# KiCad board KB-PCB-R02_KiCad.kicad_pcb
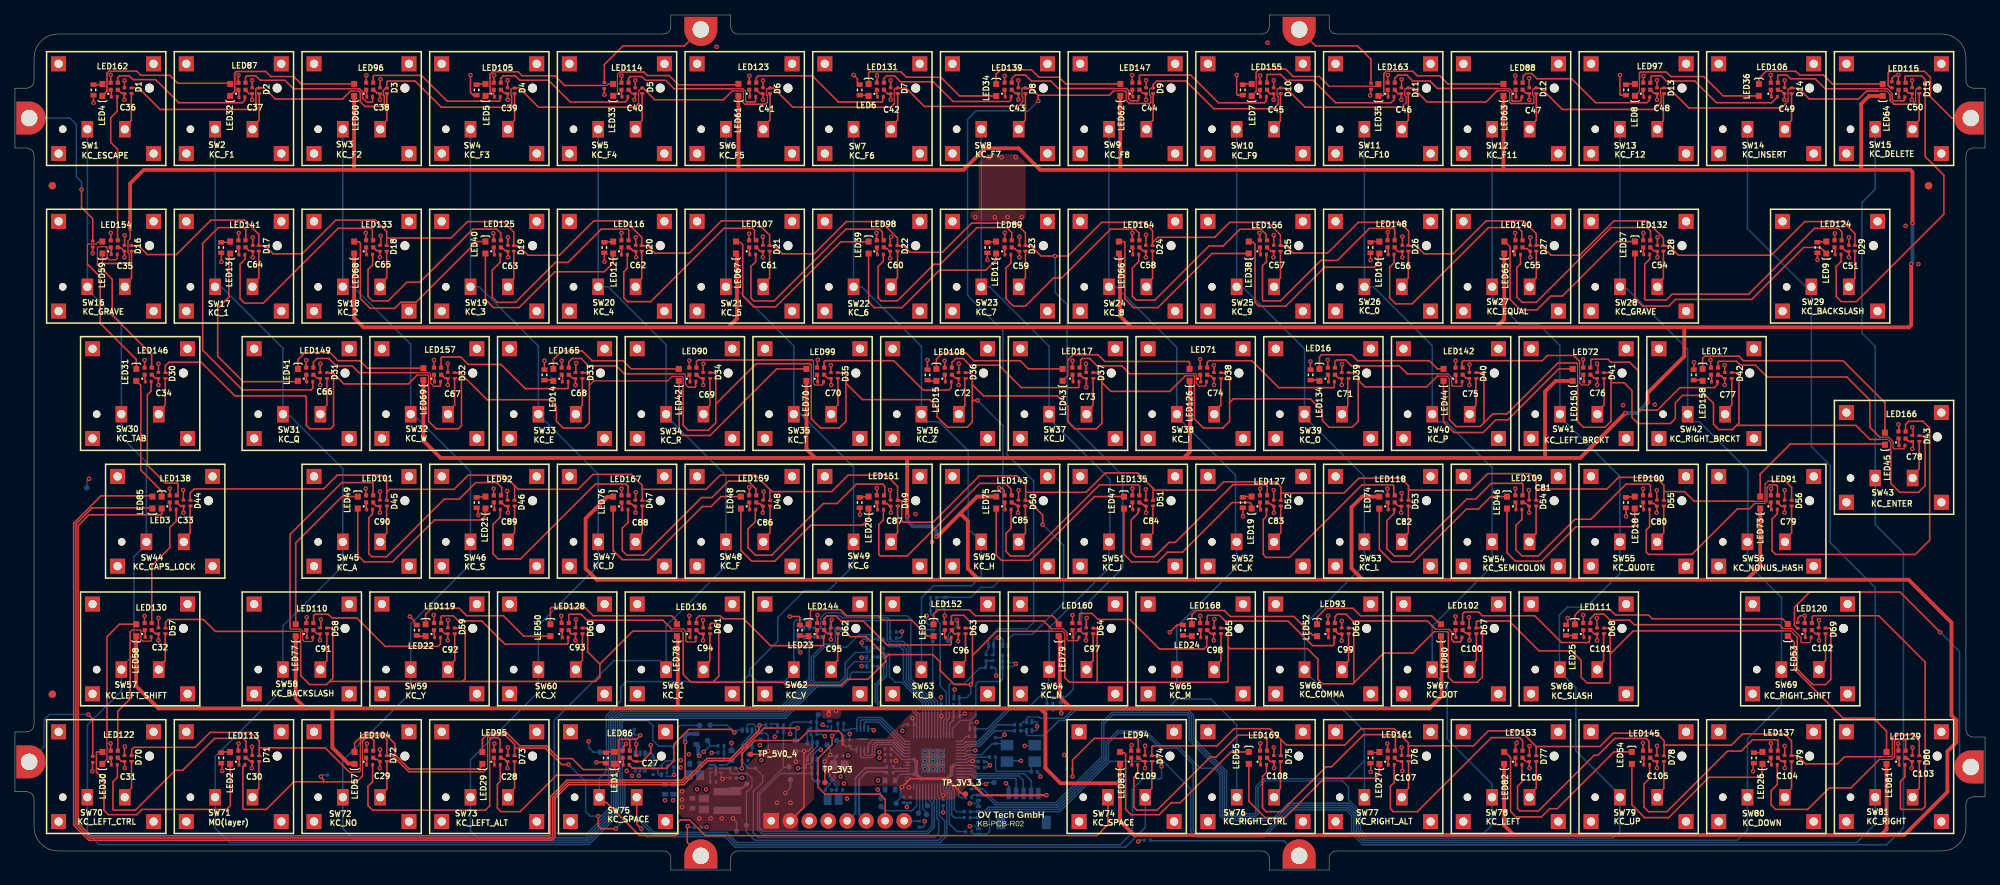
[diagram p0: board, top side]
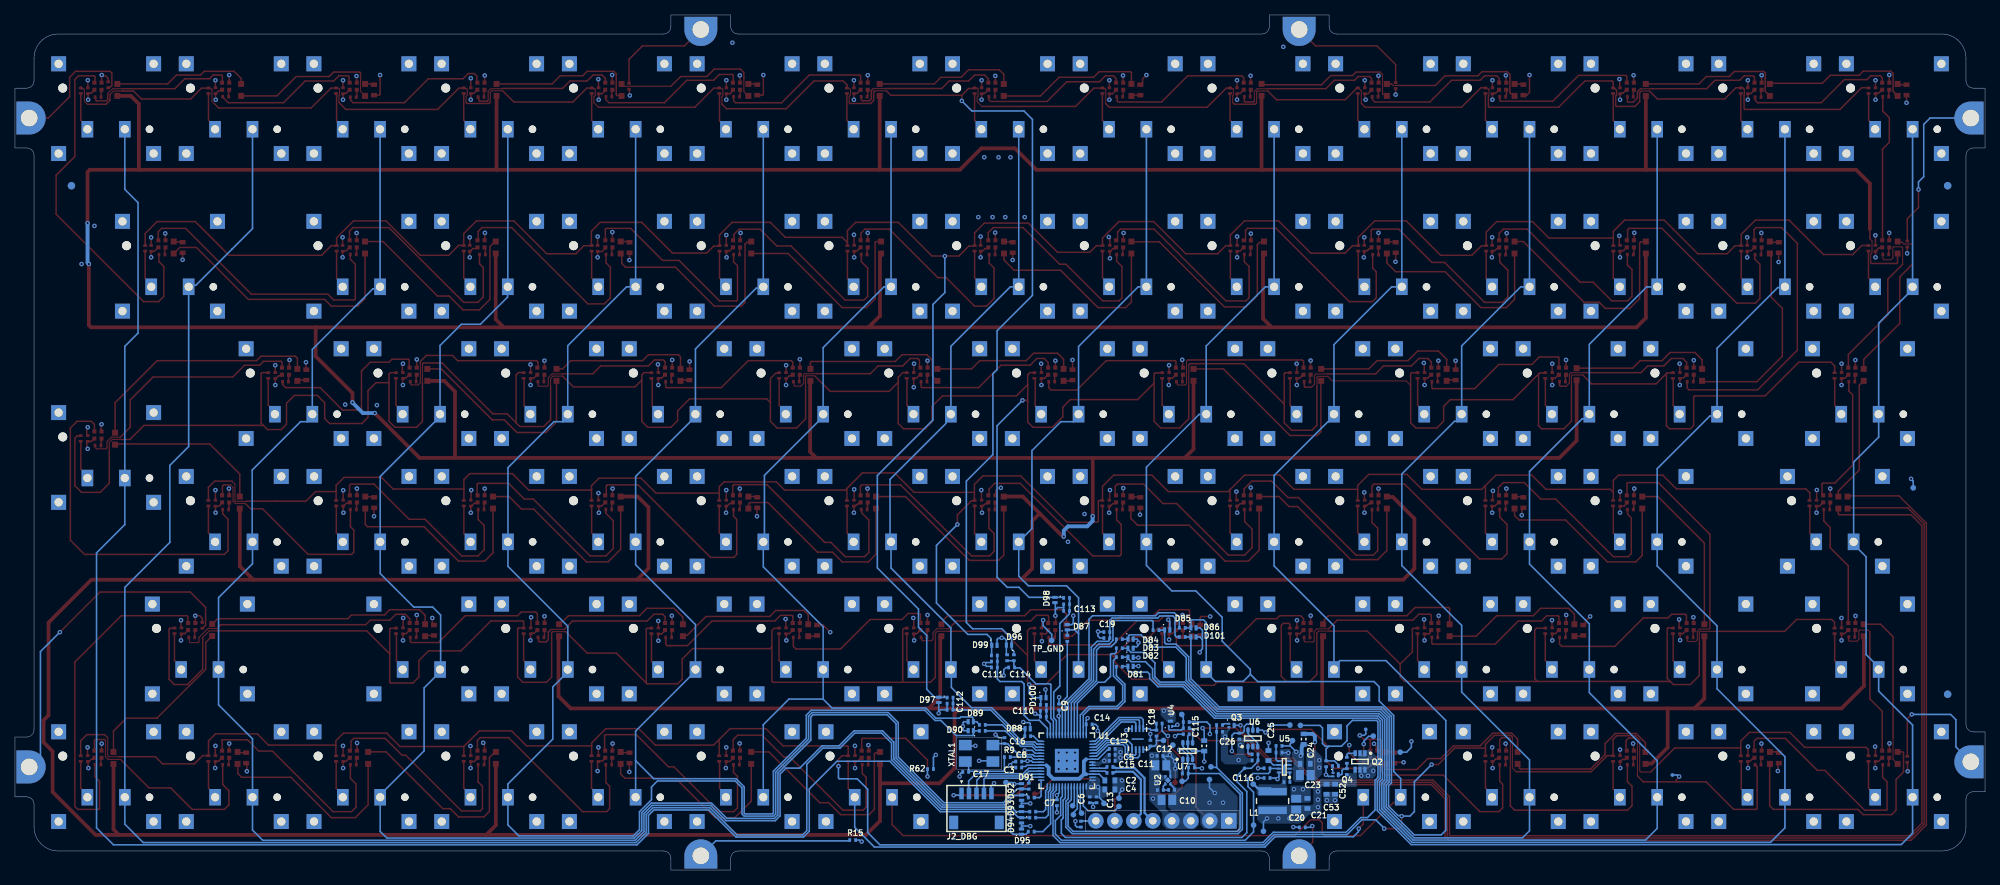
[diagram p1: board, bottom side, seen from below]

Outline 263.4 x 114.34 mm; copper layers: SIG_TOP, GND, PWR, SIG_BOTTOM. Coordinates in mm from the lower left corner of the outline.
Outline path: 0,104.55 0,96.55 1.55,96.55 arc(2.26,96.26) 2.55,95.55 2.55,19.47 arc(2.26,18.76) 1.55,18.47 0,18.47 0,10.47 1.55,10.47 arc(2.26,10.18) 2.55,9.47 2.55,5.78 arc(3.5,3.5) 5.79,2.55 86.7,2.55 arc(87.41,2.26) 87.7,1.55 87.7,0 95.7,0 95.7,1.55 arc(96,2.26) 96.7,2.55 166.7,2.55 arc(167.41,2.26) 167.7,1.55 167.7,0 175.7,0 175.7,1.55 arc(176,2.26) 176.7,2.55 257.62,2.55 arc(259.91,3.5) 260.85,5.78 260.85,8.78 arc(261.15,9.49) 261.85,9.78 263.4,9.78 263.4,17.78 261.85,17.78 arc(261.15,18.08) 260.85,18.78 260.85,95.55 arc(261.15,96.26) 261.85,96.55 263.4,96.55 263.4,104.55 261.85,104.55 arc(261.15,104.85) 260.85,105.55 260.85,108.55 arc(259.91,110.84) 257.62,111.79 176.7,111.79 arc(176,112.08) 175.7,112.79 175.7,114.34 167.7,114.34 167.7,112.79 arc(167.41,112.08) 166.7,111.79 96.7,111.79 arc(96,112.08) 95.7,112.79 95.7,114.34 87.7,114.34 87.7,112.79 arc(87.41,112.08) 86.7,111.79 5.79,111.79 arc(3.5,110.84) 2.55,108.55 2.55,105.55 arc(2.26,104.85) 1.55,104.55 0,104.55

## Placement (name value [footprint] x y rotation side)
C1  100nF 25V  [CAPC1005X06L]  116.7 16.21 180 bottom
C2  1µF 16V  [CAPC1608X10L]  117.01 11.98 180 bottom
C3  100nF 25V  [CAPC1005X06L]  129.2 13.71 0 bottom
C4  1µF 16V  [CAPC1608X10L]  117.02 10.77 180 bottom
C5  100nF 25V  [CAPC1005X06L]  116.7 15.41 180 bottom
C6  100nF 25V  [CAPC1005X06L]  119.69 9.39 270 bottom
C7  100nF 25V  [CAPC1005X06L]  124.1 9.01 270 bottom
C8  100nF 25V  [CAPC1005X06L]  129.2 14.51 0 bottom
C9  100nF 25V  [CAPC1005X06L]  123.82 21.8 90 bottom
C10  10µF 16V  [CAPC2012X14L]  109.38 9.37 0 bottom
C11  10µF 16V  [CAPC2012X14L]  110.2 14.01 0 bottom
C12  100nF 25V  [CAPC1005X06L]  110.31 15.27 0 bottom
C13  100nF 25V  [CAPC1005X06L]  118.79 9.39 270 bottom
C14  100nF 25V  [CAPC1005X06L]  119.78 19.48 180 bottom
C15  100nF 25V  [CAPC1005X06L]  116.7 14.61 180 bottom
C16  27pF 25V  [CAPC1005X06L]  131.1 17.31 90 bottom
C17  27pF 25V  [CAPC1005X06L]  136.29 13.12 0 bottom
C18  100nF 25V  [CAPC1005X06L]  111.6 16.96 90 bottom
C19  330pF 50V  [CAPC1005X06L]  117.42 31.83 0 bottom
C20  22µF 25V  [CAPC2012X14L]  92.1 8.81 90 bottom
C21  10µF 25V  [CAPC1608X10L]  90.6 8.91 90 bottom
C22  100nF 25V  [CAPC1005X06L]  93.34 11.77 180 bottom
C23  22µF 25V  [CAPC2012X14L]  90.87 12.71 180 bottom
C24  10µF 25V  [CAPC1608X10L]  90.9 14.21 180 bottom
C25  1µF 16V  [CAPC1608X10L]  95.81 15.31 90 bottom
C26  100nF 25V  [CAPC1005X06L]  99.7 17.91 270 bottom
C27  100nF 25V  [CAPC1005X06L]  83.09 14.91 90 top
C28  100nF 25V  [CAPC1005X06L]  65.87 14.91 90 top
C29  100nF 25V  [CAPC1005X06L]  48.79 14.91 90 top
C30  100nF 25V  [CAPC1005X06L]  31.72 14.91 90 top
C31  100nF 25V  [CAPC1005X06L]  14.65 14.91 90 top
C32  100nF 25V  [CAPC1005X06L]  19.18 31.98 90 top
C33  100nF 25V  [CAPC1005X06L]  22.53 49.05 90 top
C34  100nF 25V  [CAPC1005X06L]  19.18 66.13 90 top
C35  100nF 25V  [CAPC1005X06L]  14.65 83.13 90 top
C36  100nF 25V  [CAPC1005X06L]  14.65 104.21 90 top
C37  100nF 25V  [CAPC1005X06L]  31.72 104.21 90 top
C38  100nF 25V  [CAPC1005X06L]  48.8 104.21 90 top
C39  100nF 25V  [CAPC1005X06L]  65.86 104.21 90 top
C40  100nF 25V  [CAPC1005X06L]  82.93 104.21 90 top
C41  100nF 25V  [CAPC1005X06L]  100.01 104.21 90 top
C42  100nF 25V  [CAPC1005X06L]  117.08 104.21 90 top
C43  100nF 25V  [CAPC1005X06L]  134.16 104.21 90 top
C44  100nF 25V  [CAPC1005X06L]  151.23 104.21 90 top
C45  100nF 25V  [CAPC1005X06L]  168.29 104.21 90 top
C46  100nF 25V  [CAPC1005X06L]  185.36 104.21 90 top
C47  100nF 25V  [CAPC1005X06L]  202.46 104.21 90 top
C48  100nF 25V  [CAPC1005X06L]  219.54 104.21 90 top
C49  100nF 25V  [CAPC1005X06L]  236.6 104.21 90 top
C50  100nF 25V  [CAPC1005X06L]  253.66 104.21 90 top
C51  100nF 25V  [CAPC1005X06L]  245.2 83.13 90 top
C52  10µF 25V  [CAPC1608X10L]  86.9 10.81 270 bottom
C53  10µF 25V  [CAPC1608X10L]  88.04 10.81 270 bottom
C54  100nF 25V  [CAPC1005X06L]  219.6 83.13 90 top
C55  100nF 25V  [CAPC1005X06L]  202.6 83.13 90 top
C56  100nF 25V  [CAPC1005X06L]  185.5 83.13 90 top
C57  100nF 25V  [CAPC1005X06L]  168.3 83.13 90 top
C58  100nF 25V  [CAPC1005X06L]  151.2 83.13 90 top
C59  100nF 25V  [CAPC1005X06L]  134.3 83.13 90 top
C60  100nF 25V  [CAPC1005X06L]  117.03 83.13 90 top
C61  100nF 25V  [CAPC1005X06L]  100 83.13 90 top
C62  100nF 25V  [CAPC1005X06L]  83 83.13 90 top
C63  100nF 25V  [CAPC1005X06L]  65.9 83.13 90 top
C64  100nF 25V  [CAPC1005X06L]  31.8 83.13 90 top
C65  100nF 25V  [CAPC1005X06L]  48.8 83.13 90 top
C66  100nF 25V  [CAPC1005X06L]  40.79 66.13 90 top
C67  100nF 25V  [CAPC1005X06L]  57.87 66.13 90 top
C68  100nF 25V  [CAPC1005X06L]  74.94 66.13 90 top
C69  100nF 25V  [CAPC1005X06L]  92.01 66.13 90 top
C70  100nF 25V  [CAPC1005X06L]  109.09 66.13 90 top
C71  100nF 25V  [CAPC1005X06L]  177.38 66.13 90 top
C72  100nF 25V  [CAPC1005X06L]  126.16 66.13 90 top
C73  100nF 25V  [CAPC1005X06L]  143.23 66.13 90 top
C74  100nF 25V  [CAPC1005X06L]  160.31 66.13 90 top
C75  100nF 25V  [CAPC1005X06L]  194.46 66.13 90 top
C76  100nF 25V  [CAPC1005X06L]  211.53 66.13 90 top
C77  100nF 25V  [CAPC1005X06L]  228.6 66.13 90 top
C78  100nF 25V  [CAPC1005X06L]  253.68 57.71 90 top
C79  100nF 25V  [CAPC1005X06L]  236.6 49.05 90 top
C80  100nF 25V  [CAPC1005X06L]  219.53 49.05 90 top
C81  100nF 25V  [CAPC1005X06L]  202.45 49.05 90 top
C82  100nF 25V  [CAPC1005X06L]  185.38 49.05 90 top
C83  100nF 25V  [CAPC1005X06L]  168.31 49.05 90 top
C84  100nF 25V  [CAPC1005X06L]  151.23 49.05 90 top
C85  100nF 25V  [CAPC1005X06L]  134.16 49.05 90 top
C86  100nF 25V  [CAPC1005X06L]  100.01 49.05 90 top
C87  100nF 25V  [CAPC1005X06L]  117.09 49.05 90 top
C88  100nF 25V  [CAPC1005X06L]  82.94 49.05 90 top
C89  100nF 25V  [CAPC1005X06L]  65.87 49.05 90 top
C90  100nF 25V  [CAPC1005X06L]  48.79 49.05 90 top
C91  100nF 25V  [CAPC1005X06L]  40.79 31.98 90 top
C92  100nF 25V  [CAPC1005X06L]  57.87 31.98 90 top
C93  100nF 25V  [CAPC1005X06L]  74.94 31.98 90 top
C94  100nF 25V  [CAPC1005X06L]  92.01 31.98 90 top
C95  100nF 25V  [CAPC1005X06L]  109.09 31.98 90 top
C96  100nF 25V  [CAPC1005X06L]  126.16 31.98 90 top
C97  100nF 25V  [CAPC1005X06L]  143.23 31.98 90 top
C98  100nF 25V  [CAPC1005X06L]  160.31 31.98 90 top
C99  100nF 25V  [CAPC1005X06L]  177.38 31.98 90 top
C100  100nF 25V  [CAPC1005X06L]  194.45 31.98 90 top
C101  100nF 25V  [CAPC1005X06L]  211.53 31.98 90 top
C102  100nF 25V  [CAPC1005X06L]  241.14 31.98 90 top
C103  100nF 25V  [CAPC1005X06L]  253.68 14.91 90 top
C104  100nF 25V  [CAPC1005X06L]  236.6 14.91 90 top
C105  100nF 25V  [CAPC1005X06L]  219.53 14.91 90 top
C106  100nF 25V  [CAPC1005X06L]  202.46 14.91 90 top
C107  100nF 25V  [CAPC1005X06L]  185.38 14.91 90 top
C108  100nF 25V  [CAPC1005X06L]  168.31 14.91 90 top
C109  100nF 25V  [CAPC1005X06L]  151.09 14.91 90 top
C110  330pF 50V  [CAPC1005X06L]  125.9 21.31 0 bottom
C111  330pF 50V  [CAPC1005X06L]  132.45 27.09 0 bottom
C112  330pF 50V  [CAPC1005X06L]  138.38 22.26 0 bottom
C113  330pF 50V  [CAPC1005X06L]  122.8 34.66 0 bottom
C114  330pF 50V  [CAPC1005X06L]  130.15 27.09 0 bottom
C115  100nF 25V  [CAPC1005X06L]  106.8 18.16 0 bottom
C116  100nF 25V  [CAPC1005X06L]  96 12.31 0 bottom
D1  BAT54LS-QYL  [DFN1006-2A]  15.58 104.21 270 top
D2  BAT54LS-QYL  [DFN1006-2A]  32.65 104.21 270 top
D3  BAT54LS-QYL  [DFN1006-2A]  49.73 104.21 270 top
D4  BAT54LS-QYL  [DFN1006-2A]  66.8 104.21 270 top
D5  BAT54LS-QYL  [DFN1006-2A]  83.87 104.21 270 top
D6  BAT54LS-QYL  [DFN1006-2A]  100.95 104.21 270 top
D7  BAT54LS-QYL  [DFN1006-2A]  118.02 104.21 270 top
D8  BAT54LS-QYL  [DFN1006-2A]  135.1 104.21 270 top
D9  BAT54LS-QYL  [DFN1006-2A]  152.17 104.21 270 top
D10  BAT54LS-QYL  [DFN1006-2A]  169.23 104.21 270 top
D11  BAT54LS-QYL  [DFN1006-2A]  186.3 104.21 270 top
D12  BAT54LS-QYL  [DFN1006-2A]  203.4 104.21 270 top
D13  BAT54LS-QYL  [DFN1006-2A]  220.48 104.21 270 top
D14  BAT54LS-QYL  [DFN1006-2A]  237.54 104.2 270 top
D15  BAT54LS-QYL  [DFN1006-2A]  254.6 104.21 270 top
D16  BAT54LS-QYL  [DFN1006-2A]  15.58 83.13 270 top
D17  BAT54LS-QYL  [DFN1006-2A]  32.6 83.13 270 top
D18  BAT54LS-QYL  [DFN1006-2A]  49.7 83.13 270 top
D19  BAT54LS-QYL  [DFN1006-2A]  66.7 83.13 270 top
D20  BAT54LS-QYL  [DFN1006-2A]  83.8 83.13 270 top
D21  BAT54LS-QYL  [DFN1006-2A]  100.9 83.13 270 top
D22  BAT54LS-QYL  [DFN1006-2A]  118 83.13 270 top
D23  BAT54LS-QYL  [DFN1006-2A]  135.1 83.13 270 top
D24  BAT54LS-QYL  [DFN1006-2A]  152.1 83.13 270 top
D25  BAT54LS-QYL  [DFN1006-2A]  169.2 83.13 270 top
D26  BAT54LS-QYL  [DFN1006-2A]  186.3 83.13 270 top
D27  BAT54LS-QYL  [DFN1006-2A]  203.4 83.13 270 top
D28  BAT54LS-QYL  [DFN1006-2A]  220.4 83.13 270 top
D29  BAT54LS-QYL  [DFN1006-2A]  246 83.13 270 top
D30  BAT54LS-QYL  [DFN1006-2A]  20.12 66.13 270 top
D31  BAT54LS-QYL  [DFN1006-2A]  41.73 66.13 270 top
D32  BAT54LS-QYL  [DFN1006-2A]  58.8 66.13 270 top
D33  BAT54LS-QYL  [DFN1006-2A]  75.88 66.13 270 top
D34  BAT54LS-QYL  [DFN1006-2A]  92.95 66.13 270 top
D35  BAT54LS-QYL  [DFN1006-2A]  110.02 66.13 270 top
D36  BAT54LS-QYL  [DFN1006-2A]  127.1 66.13 270 top
D37  BAT54LS-QYL  [DFN1006-2A]  144.17 66.13 270 top
D38  BAT54LS-QYL  [DFN1006-2A]  161.24 66.13 270 top
D39  BAT54LS-QYL  [DFN1006-2A]  178.32 66.13 270 top
D40  BAT54LS-QYL  [DFN1006-2A]  195.4 66.13 270 top
D41  BAT54LS-QYL  [DFN1006-2A]  212.47 66.13 270 top
D42  BAT54LS-QYL  [DFN1006-2A]  229.54 66.13 270 top
D43  BAT54LS-QYL  [DFN1006-2A]  254.62 57.71 270 top
D44  BAT54LS-QYL  [DFN1006-2A]  23.47 49.05 270 top
D45  BAT54LS-QYL  [DFN1006-2A]  49.73 49.05 270 top
D46  BAT54LS-QYL  [DFN1006-2A]  66.8 49.05 270 top
D47  BAT54LS-QYL  [DFN1006-2A]  83.88 49.05 270 top
D48  BAT54LS-QYL  [DFN1006-2A]  100.95 49.05 270 top
D49  BAT54LS-QYL  [DFN1006-2A]  118.02 49.05 270 top
D50  BAT54LS-QYL  [DFN1006-2A]  135.1 49.05 270 top
D51  BAT54LS-QYL  [DFN1006-2A]  152.17 49.05 270 top
D52  BAT54LS-QYL  [DFN1006-2A]  169.24 49.05 270 top
D53  BAT54LS-QYL  [DFN1006-2A]  186.32 49.05 270 top
D54  BAT54LS-QYL  [DFN1006-2A]  203.39 49.05 270 top
D55  BAT54LS-QYL  [DFN1006-2A]  220.46 49.05 270 top
D56  BAT54LS-QYL  [DFN1006-2A]  237.54 49.05 270 top
D57  BAT54LS-QYL  [DFN1006-2A]  20.12 31.98 270 top
D58  BAT54LS-QYL  [DFN1006-2A]  41.73 31.98 270 top
D59  BAT54LS-QYL  [DFN1006-2A]  58.8 31.98 270 top
D60  BAT54LS-QYL  [DFN1006-2A]  75.88 31.98 270 top
D61  BAT54LS-QYL  [DFN1006-2A]  92.95 31.98 270 top
D62  BAT54LS-QYL  [DFN1006-2A]  110.02 31.98 270 top
D63  BAT54LS-QYL  [DFN1006-2A]  127.1 31.98 270 top
D64  BAT54LS-QYL  [DFN1006-2A]  144.17 31.98 270 top
D65  BAT54LS-QYL  [DFN1006-2A]  161.24 31.98 270 top
D66  BAT54LS-QYL  [DFN1006-2A]  178.32 31.98 270 top
D67  BAT54LS-QYL  [DFN1006-2A]  195.39 31.98 270 top
D68  BAT54LS-QYL  [DFN1006-2A]  212.46 31.98 270 top
D69  BAT54LS-QYL  [DFN1006-2A]  242.08 31.98 270 top
D70  BAT54LS-QYL  [DFN1006-2A]  15.58 14.91 270 top
D71  BAT54LS-QYL  [DFN1006-2A]  32.66 14.91 270 top
D72  BAT54LS-QYL  [DFN1006-2A]  49.73 14.91 270 top
D73  BAT54LS-QYL  [DFN1006-2A]  66.8 14.91 270 top
D74  BAT54LS-QYL  [DFN1006-2A]  152.03 14.91 270 top
D75  BAT54LS-QYL  [DFN1006-2A]  169.25 14.91 270 top
D76  BAT54LS-QYL  [DFN1006-2A]  186.32 14.91 270 top
D77  BAT54LS-QYL  [DFN1006-2A]  203.4 14.91 270 top
D78  BAT54LS-QYL  [DFN1006-2A]  220.47 14.91 270 top
D79  BAT54LS-QYL  [DFN1006-2A]  237.54 14.91 270 top
D80  BAT54LS-QYL  [DFN1006-2A]  254.62 14.91 270 top
D81  PESD5V5C1UL  [DFN65P100X50-2N]  114.25 27.24 180 bottom
D82  PESD5V5C1UL  [DFN65P100X50-2N]  114.25 28.44 180 bottom
D83  PESD5V5C1UL  [DFN65P100X50-2N]  114.25 29.65 180 bottom
D84  PESD5V5C1UL  [DFN65P100X50-2N]  114.25 30.88 180 bottom
D85  PESD5V5C1UL  [DFN65P100X50-2N#2]  109.34 32.1 180 bottom
D86  PESD5V5C1UL  [DFN65P100X50-2N]  105.83 32.38 180 bottom
D87  PESD5V5C1UL  [DFN65P100X50-2N#2]  122.7 32.47 90 bottom
D88  PESD5V5C1UL  [DFN65P100X50-2N]  128 18.89 180 bottom
D89  PESD5V5C1UL  [DFN65P100X50-2N]  135.61 19.84 0 bottom
D90  PESD5V5C1UL  [DFN65P100X50-2N]  135.61 18.64 0 bottom
D91  PESD5V5C1UL  [DFN65P100X50-2N]  128.83 11.21 90 bottom
D92  PESD5V5C1UL  [DFN65P100X50-2N]  128.82 9.68 270 bottom
D93  PESD5V5C1UL  [DFN65P100X50-2N]  128.83 8.17 90 bottom
D94  PESD5V5C1UL  [DFN65P100X50-2N]  128.83 6.65 270 bottom
D95  PESD5V5C1UL  [DFN65P100X50-2N]  128.83 5.14 90 bottom
D96  PESD5V5C1UL  [DFN65P100X50-2N]  130.5 30.08 0 bottom
D97  PESD5V5C1UL  [DFN65P100X50-2N]  139.88 22.76 270 bottom
D98  PESD5V5C1UL  [DFN65P100X50-2N]  124.35 36.11 270 bottom
D99  PESD5V5C1UL  [DFN65P100X50-2N#2]  132.45 30.05 180 bottom
D100  PESD5V5C1UL  [DFN65P100X50-2N#2]  125.89 23.05 180 bottom
D101  PESD5V5C1UL  [DFN65P100X50-2N]  105.83 31.17 180 bottom
FD1  FD_1mm  [FD_1mm_Copper_3mm_Expansion]  5 23.51 0 top
FD2  FD_1mm  [FD_1mm_Copper_3mm_Expansion]  5 91.51 0 top
FD3  FD_1mm  [FD_1mm_Copper_3mm_Expansion]  255.85 91.51 0 top
FD4  FD_1mm  [FD_1mm_Copper_3mm_Expansion]  5 23.51 180 bottom
FD5  FD_1mm  [FD_1mm_Copper_3mm_Expansion]  5 91.51 180 bottom
FD6  FD_1mm  [FD_1mm_Copper_3mm_Expansion]  255.85 91.51 180 bottom
J2_DBG  SM05B-SRSS-TB  [WIRE-TO-BOARD SM05B-SRSS-TB]  134.85 8.3 0 bottom
J_IN1  8x2,54mm spring header receptable  [BOARD-BOARD CON SPRING-LOADED HEADER 8X2,54MM RECEPTABLE]  110 6.58 0 bottom
L1  3.3 uH 4.4A  [INDM4141X21N]  95.25 9.24 90 bottom
LED1  HL-PT-1608H322W-L  [LED 0603]  80.13 14.99 90 top
LED2  HL-PT-1608H322W-L  [LED 0603]  28.76 14.99 90 top
LED3  HL-PT-1608H322W-L  [LED 0603]  19.62 49.14 270 top
LED4  HL-PT-1608H322W-L  [LED 0603]  11.69 104.32 90 top
LED5  HL-PT-1608H322W-L  [LED 0603]  62.91 104.32 90 top
LED6  HL-PT-1608H322W-L  [LED 0603]  114.13 104.32 270 top
LED7  HL-PT-1608H322W-L  [LED 0603]  165.35 104.32 90 top
LED8  HL-PT-1608H322W-L  [LED 0603]  216.6 104.32 90 top
LED9  HL-PT-1608H322W-L  [LED 0603]  242.18 83.24 90 top
LED10  HL-PT-1608H322W-L  [LED 0603]  182.42 83.24 90 top
LED11  HL-PT-1608H322W-L  [LED 0603]  131.17 83.24 90 top
LED12  HL-PT-1608H322W-L  [LED 0603]  79.98 83.24 90 top
LED13  HL-PT-1608H322W-L  [LED 0603]  28.77 83.24 90 top
LED14  HL-PT-1608H322W-L  [LED 0603]  71.98 66.21 270 top
LED15  HL-PT-1608H322W-L  [LED 0603]  123.2 66.21 270 top
LED16  HL-PT-1608H322W-L  [LED 0603]  174.42 66.21 270 top
LED17  HL-PT-1608H322W-L  [LED 0603]  225.64 66.21 270 top
LED18  HL-PT-1608H322W-L  [LED 0603]  216.57 49.14 90 top
LED19  HL-PT-1608H322W-L  [LED 0603]  165.35 49.14 90 top
LED20  HL-PT-1608H322W-L  [LED 0603]  114.13 49.14 90 top
LED21  HL-PT-1608H322W-L  [LED 0603]  62.91 49.14 90 top
LED22  HL-PT-1608H322W-L  [LED 0603]  54.9 32.07 270 top
LED23  HL-PT-1608H322W-L  [LED 0603]  106.1 32.07 270 top
LED24  HL-PT-1608H322W-L  [LED 0603]  157.35 32.07 270 top
LED25  HL-PT-1608H322W-L  [LED 0603]  208.57 32.07 270 top
LED26  HL-PT-1608H322W-L  [LED 0603]  233.64 14.99 90 top
LED27  HL-PT-1608H322W-L  [LED 0603]  182.42 14.99 90 top
LED29  HL-PT-1608H322W-L  [LED 0603]  62.5 14.99 90 top
LED30  HL-PT-1608H322W-L  [LED 0603]  11.69 14.99 90 top
LED31  HL-PT-1608H322W-L  [LED 0603]  16.22 66.21 270 top
LED32  HL-PT-1608H322W-L  [LED 0603]  28.77 104.32 90 top
LED33  HL-PT-1608H322W-L  [LED 0603]  79.98 104.32 90 top
LED34  HL-PT-1608H322W-L  [LED 0603]  131.2 104.31 270 top
LED35  HL-PT-1608H322W-L  [LED 0603]  182.3 104.31 90 top
LED36  HL-PT-1608H322W-L  [LED 0603]  233.16 104.32 270 top
LED37  HL-PT-1608H322W-L  [LED 0603]  216.6 83.24 270 top
LED38  HL-PT-1608H322W-L  [LED 0603]  164.96 83.24 90 top
LED39  HL-PT-1608H322W-L  [LED 0603]  114.13 83.24 270 top
LED40  HL-PT-1608H322W-L  [LED 0603]  62.91 83.24 270 top
LED41  HL-PT-1608H322W-L  [LED 0603]  37.83 66.21 270 top
LED42  HL-PT-1608H322W-L  [LED 0603]  88.75 66.21 90 top
LED43  HL-PT-1608H322W-L  [LED 0603]  140.07 66.21 90 top
LED44  HL-PT-1608H322W-L  [LED 0603]  191 66.21 90 top
LED45  HL-PT-1608H322W-L  [LED 0603]  250.02 57.68 90 top
LED46  HL-PT-1608H322W-L  [LED 0603]  199.49 49.14 270 top
LED47  HL-PT-1608H322W-L  [LED 0603]  148.27 49.14 270 top
LED48  HL-PT-1608H322W-L  [LED 0603]  97.05 49.14 270 top
LED49  HL-PT-1608H322W-L  [LED 0603]  45.83 49.14 270 top
LED50  HL-PT-1608H322W-L  [LED 0603]  71.59 32.07 270 top
LED51  HL-PT-1608H322W-L  [LED 0603]  122.81 32.07 270 top
LED52  HL-PT-1608H322W-L  [LED 0603]  174.1 32.07 270 top
LED53  HL-PT-1608H322W-L  [LED 0603]  237.03 32.09 90 top
LED54  HL-PT-1608H322W-L  [LED 0603]  216.18 14.99 270 top
LED55  HL-PT-1608H322W-L  [LED 0603]  164.96 14.99 270 top
LED57  HL-PT-1608H322W-L  [LED 0603]  45.4 14.99 90 top
LED58  HL-PT-1608H322W-L  [LED 0603]  16.22 32.07 90 top
LED59  HL-PT-1608H322W-L  [LED 0603]  11.69 83.24 90 top
LED60  HL-PT-1608H322W-L  [LED 0603]  45.35 104.32 90 top
LED61  HL-PT-1608H322W-L  [LED 0603]  96.73 104.33 90 top
LED62  HL-PT-1608H322W-L  [LED 0603]  147.79 104.32 90 top
LED63  HL-PT-1608H322W-L  [LED 0603]  199.02 104.32 90 top
LED64  HL-PT-1608H322W-L  [LED 0603]  249.72 104.32 90 top
LED65  HL-PT-1608H322W-L  [LED 0603]  199.13 83.24 90 top
LED66  HL-PT-1608H322W-L  [LED 0603]  147.6 83.24 90 top
LED67  HL-PT-1608H322W-L  [LED 0603]  96.4 83.24 90 top
LED68  HL-PT-1608H322W-L  [LED 0603]  45.35 83.24 90 top
LED69  HL-PT-1608H322W-L  [LED 0603]  54.61 66.31 90 top
LED70  HL-PT-1608H322W-L  [LED 0603]  105.83 66.21 90 top
LED71  HL-PT-1608H322W-L  [LED 0603]  157.05 66.21 90 top
LED72  HL-PT-1608H322W-L  [LED 0603]  208.27 66.21 90 top
LED73  HL-PT-1608H322W-L  [LED 0603]  233.34 49.14 90 top
LED74  HL-PT-1608H322W-L  [LED 0603]  182.42 49.14 270 top
LED75  HL-PT-1608H322W-L  [LED 0603]  131.2 49.14 270 top
LED76  HL-PT-1608H322W-L  [LED 0603]  79.98 49.14 270 top
LED77  HL-PT-1608H322W-L  [LED 0603]  37.53 32.07 90 top
LED78  HL-PT-1608H322W-L  [LED 0603]  88.5 32.07 90 top
LED79  HL-PT-1608H322W-L  [LED 0603]  139.54 32.07 90 top
LED80  HL-PT-1608H322W-L  [LED 0603]  190.66 32.07 90 top
LED81  HL-PT-1608H322W-L  [LED 0603]  250.23 14.99 90 top
LED82  HL-PT-1608H322W-L  [LED 0603]  199.11 14.99 90 top
LED83  HL-PT-1608H322W-L  [LED 0603]  147.74 14.99 90 top
LED85  HL-PT-1608H322W-L  [LED 0603]  18.38 49.14 90 top
LED86  SK6805-EC15  [LED 0606 RGB SK6805-EC15]  81.72 15.48 0 top
LED87  SK6805-EC15  [LED 0606 RGB SK6805-EC15]  30.35 104.81 0 top
LED88  SK6805-EC15  [LED 0606 RGB SK6805-EC15]  201.1 104.81 0 top
LED89  SK6805-EC15  [LED 0606 RGB SK6805-EC15]  132.79 83.73 0 top
LED90  SK6805-EC15  [LED 0606 RGB SK6805-EC15]  90.64 66.7 0 top
LED91  SK6805-EC15  [LED 0606 RGB SK6805-EC15]  235.23 49.63 0 top
LED92  SK6805-EC15  [LED 0606 RGB SK6805-EC15]  64.5 49.63 0 top
LED93  SK6805-EC15  [LED 0606 RGB SK6805-EC15]  176.01 32.56 0 top
LED94  SK6805-EC15  [LED 0606 RGB SK6805-EC15]  149.72 15.48 0 top
LED95  SK6805-EC15  [LED 0606 RGB SK6805-EC15]  64.5 15.48 0 top
LED96  SK6805-EC15  [LED 0606 RGB SK6805-EC15]  47.43 104.81 0 top
LED97  SK6805-EC15  [LED 0606 RGB SK6805-EC15]  218.18 104.81 0 top
LED98  SK6805-EC15  [LED 0606 RGB SK6805-EC15]  115.71 83.73 0 top
LED99  SK6805-EC15  [LED 0606 RGB SK6805-EC15]  107.72 66.7 0 top
LED100  SK6805-EC15  [LED 0606 RGB SK6805-EC15]  218.16 49.63 0 top
LED101  SK6805-EC15  [LED 0606 RGB SK6805-EC15]  47.42 49.63 0 top
LED102  SK6805-EC15  [LED 0606 RGB SK6805-EC15]  193.08 32.56 0 top
LED104  SK6805-EC15  [LED 0606 RGB SK6805-EC15]  47.42 15.48 0 top
LED105  SK6805-EC15  [LED 0606 RGB SK6805-EC15]  64.49 104.81 0 top
LED106  SK6805-EC15  [LED 0606 RGB SK6805-EC15]  235.23 104.81 0 top
LED107  SK6805-EC15  [LED 0606 RGB SK6805-EC15]  98.64 83.73 0 top
LED108  SK6805-EC15  [LED 0606 RGB SK6805-EC15]  124.79 66.7 0 top
LED109  SK6805-EC15  [LED 0606 RGB SK6805-EC15]  201.08 49.63 0 top
LED110  SK6805-EC15  [LED 0606 RGB SK6805-EC15]  39.42 32.56 0 top
LED111  SK6805-EC15  [LED 0606 RGB SK6805-EC15]  210.16 32.56 0 top
LED113  SK6805-EC15  [LED 0606 RGB SK6805-EC15]  30.35 15.48 0 top
LED114  SK6805-EC15  [LED 0606 RGB SK6805-EC15]  81.56 104.81 0 top
LED115  SK6805-EC15  [LED 0606 RGB SK6805-EC15]  252.31 104.81 0 top
LED116  SK6805-EC15  [LED 0606 RGB SK6805-EC15]  81.56 83.73 0 top
LED117  SK6805-EC15  [LED 0606 RGB SK6805-EC15]  141.86 66.7 0 top
LED118  SK6805-EC15  [LED 0606 RGB SK6805-EC15]  184.01 49.63 0 top
LED119  SK6805-EC15  [LED 0606 RGB SK6805-EC15]  56.5 32.56 0 top
LED120  SK6805-EC15  [LED 0606 RGB SK6805-EC15]  239.77 32.56 0 top
LED122  SK6805-EC15  [LED 0606 RGB SK6805-EC15]  13.28 15.48 0 top
LED123  SK6805-EC15  [LED 0606 RGB SK6805-EC15]  98.64 104.81 0 top
LED124  SK6805-EC15  [LED 0606 RGB SK6805-EC15]  243.76 83.73 0 top
LED125  SK6805-EC15  [LED 0606 RGB SK6805-EC15]  64.49 83.73 0 top
LED126  SK6805-EC15  [LED 0606 RGB SK6805-EC15]  158.94 66.7 0 top
LED127  SK6805-EC15  [LED 0606 RGB SK6805-EC15]  166.94 49.63 0 top
LED128  SK6805-EC15  [LED 0606 RGB SK6805-EC15]  73.57 32.56 0 top
LED129  SK6805-EC15  [LED 0606 RGB SK6805-EC15]  252.31 15.48 0 top
LED130  SK6805-EC15  [LED 0606 RGB SK6805-EC15]  17.81 32.56 0 top
LED131  SK6805-EC15  [LED 0606 RGB SK6805-EC15]  115.71 104.81 0 top
LED132  SK6805-EC15  [LED 0606 RGB SK6805-EC15]  218.17 83.73 0 top
LED133  SK6805-EC15  [LED 0606 RGB SK6805-EC15]  47.43 83.73 0 top
LED134  SK6805-EC15  [LED 0606 RGB SK6805-EC15]  176.01 66.7 0 top
LED135  SK6805-EC15  [LED 0606 RGB SK6805-EC15]  149.86 49.63 0 top
LED136  SK6805-EC15  [LED 0606 RGB SK6805-EC15]  90.64 32.56 0 top
LED137  SK6805-EC15  [LED 0606 RGB SK6805-EC15]  235.23 15.48 0 top
LED138  SK6805-EC15  [LED 0606 RGB SK6805-EC15]  21.16 49.63 0 top
LED139  SK6805-EC15  [LED 0606 RGB SK6805-EC15]  132.79 104.81 0 top
LED140  SK6805-EC15  [LED 0606 RGB SK6805-EC15]  201.09 83.73 0 top
LED141  SK6805-EC15  [LED 0606 RGB SK6805-EC15]  30.35 83.73 0 top